# KiCad board phase-control.kicad_pcb (continued)
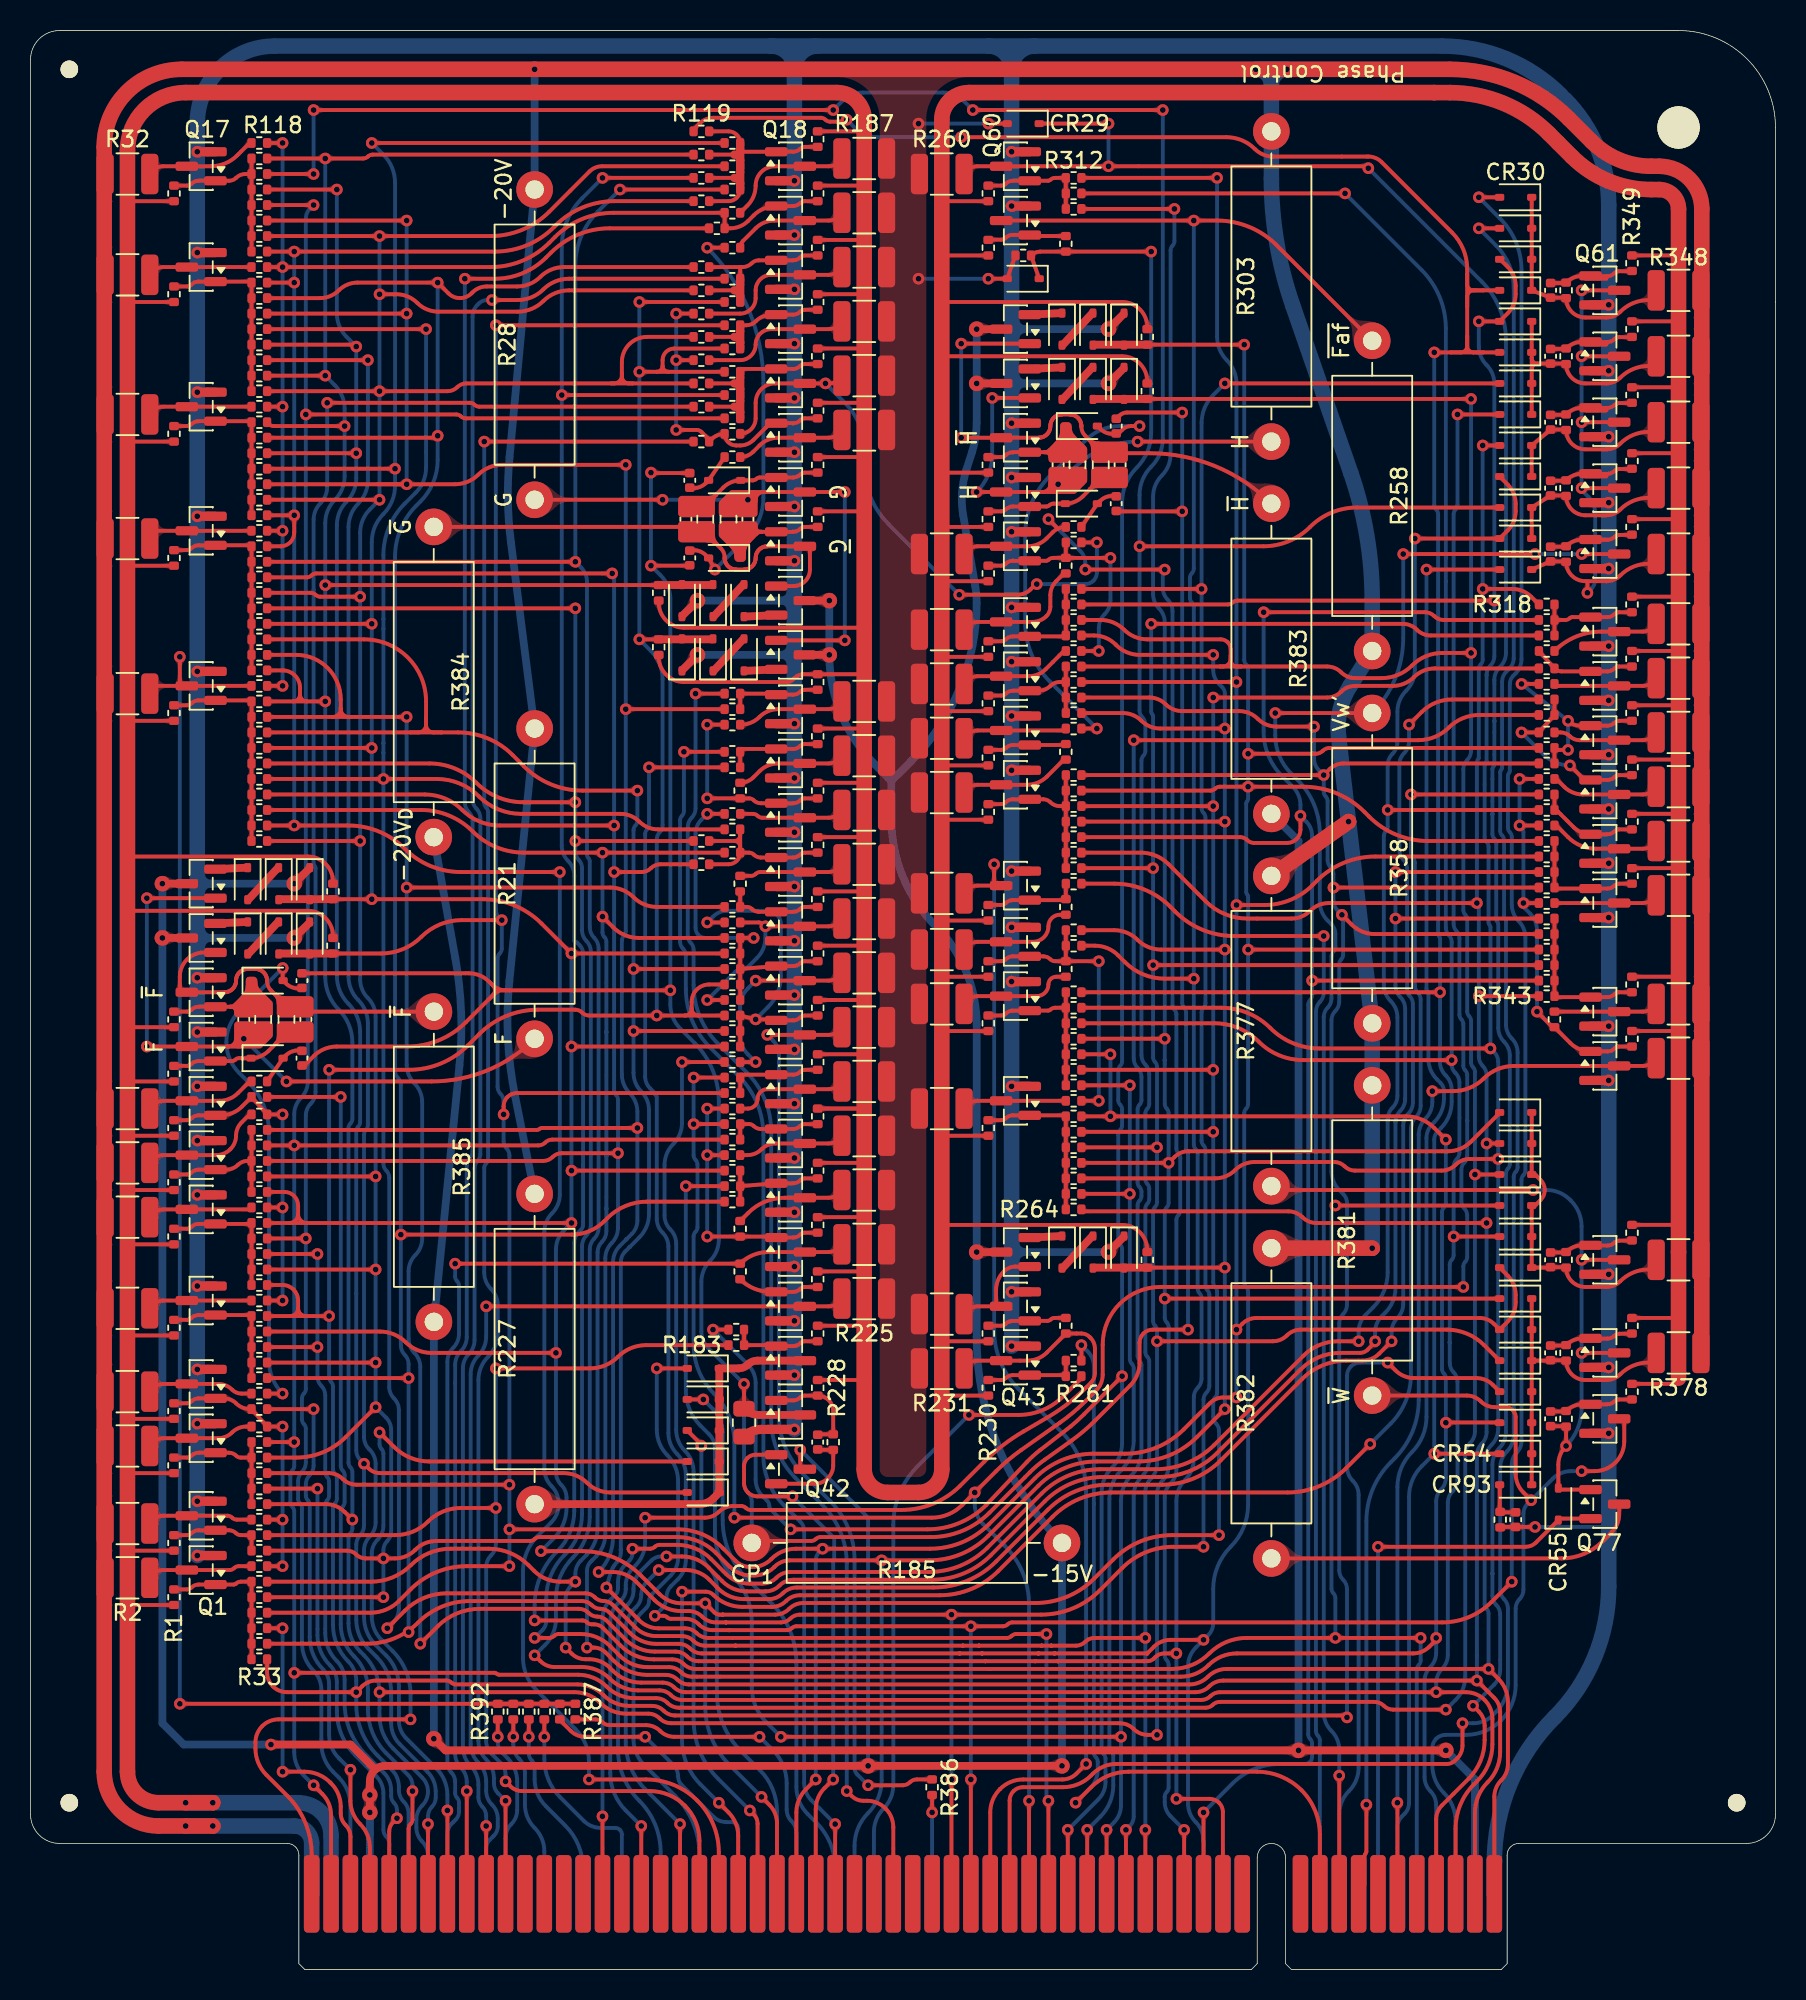
[diagram p0: board, top side]
## Routing (per net, layer and track width the routed paths; a pad name or vN(x,y) marks a point on that pad's centre or on a via; arc(x,y) is an arc through that point) (continued)
V: length 127.6
  Top w0.254: v1(41.66,27.05) 42.67,27.05 arc(43.61,26.86) 44.41,26.33 45.31,25.43 arc(46.05,24.94) 46.92,24.77 48.14,24.77 arc(48.64,24.86) 49.06,25.15 arc(49.48,25.43) 49.98,25.53 59.04,25.53 arc(61.13,25.94) 62.89,27.12 66.43,30.66 arc(68.2,31.84) 70.28,32.26 73.9,32.26 arc(75.98,32.67) 77.75,33.85 83.21,39.31 arc(84.4,40.11) 85.8,40.39 87.09,40.39 arc(87.35,40.44) 87.58,40.59 88.03,41.04 arc(88.07,41.09) v1(88.08,41.15) ; v1(89.41,68.83) R338.1 ; v1(89.41,71.88) R335.1
  Bottom w0.254: v1(89.41,71.88) v1(89.41,68.83) 89.41,64.46 arc(89.49,64.04) 89.73,63.69 arc(89.96,63.34) 90.04,62.92 90.04,57.01 arc(89.96,56.59) 89.73,56.24 arc(89.49,55.89) 89.41,55.47 89.41,44.63 arc(89.23,43.76) 88.74,43.02 88.5,42.78 arc(88.19,42.31) 88.08,41.75 v1(88.08,41.15) ; v1(41.66,27.05) 41.29,27.05 arc(40.96,26.98) 40.68,26.8 39.97,26.08 arc(39.62,25.56) 39.5,24.95 39.5,24.82 arc(39.4,24.32) 39.12,23.91 38.99,23.77 arc(38.61,23.21) 38.48,22.55 38.48,14.42 arc(38.84,12.6) 39.88,11.05 arc(40.91,9.5) 41.27,7.68 41.27,4.95
Vw': length 110.4
  Top w0.254: v1(89.92,92.71) v1(98.55,92.71) ; v1(101.6,92.71) Q65.3 ; v1(81.53,82.3) R358.2 ; v1(85.73,12.7) 85.73,4.95
  Bottom w0.254: v1(89.92,92.71) 89.92,87.2 arc(89.39,84.55) R358.2 ; v1(81.53,82.3) 81.53,80.84 arc(81.8,79.49) 82.57,78.34 82.99,77.91 arc(84.08,76.3) 84.45,74.39 84.45,69.93 arc(84.59,69.27) 84.96,68.71 85.22,68.45 arc(85.4,68.17) 85.47,67.84 85.47,66.98 arc(85.44,66.82) 85.34,66.67 arc(85.25,66.53) 85.22,66.37 85.22,63.61 arc(85.15,63.27) 84.96,62.99 arc(84.78,62.71) 84.71,62.38 84.71,16.85 arc(84.84,16.18) 85.22,15.62 arc(85.59,15.06) 85.73,14.39 v1(85.73,12.7) ; v1(98.55,92.71) v1(101.6,92.71)
W: length 37.3
  Top w0.254: Q77.2 100.13,29.53 arc(100.09,29.52) 100.08,29.48 ; 100.04,29.47 99.98,29.53 ; 100.04,29.47 arc(100.06,29.46) 100.08,29.48 ; 100.04,29.47 arc(100.06,29.43) 100.04,29.39 arc(100.07,29.43) 100.08,29.48 ; v1(88.27,27.69) 97.94,27.69 arc(98.3,27.76) 98.61,27.96 CR55.1
  Bottom w0.254: v1(88.27,27.69) 88.27,5.33
~{Ac1}: length 59.6
  Top w0.254: v1(47.12,10.41) 47.37,10.16 arc(47.56,9.88) 47.62,9.55 47.62,4.95 ; v1(42.67,59.44) R170.2
  Bottom w0.254: v1(42.67,59.44) 42.67,55.44 arc(42.52,54.7) 42.1,54.06 arc(41.68,53.43) 41.53,52.68 41.53,49.39 arc(41.63,48.89) 41.91,48.47 arc(42.19,48.05) 42.29,47.55 42.29,35.35 arc(42.44,34.61) 42.86,33.97 arc(43.29,33.34) 43.43,32.59 43.43,16.35 arc(43.85,14.27) 45.03,12.5 v1(47.12,10.41)
~{be}: length 169.6
  Top w0.254: R94.1 v1(17.27,95.25) 17.27,94.11 arc(17.01,93.48) 16.38,93.22 R92.1 ; v1(17.27,110.49) R109.1 ; 45.08,4.95 45.08,7.68 arc(44.72,9.5) 43.69,11.05 arc(42.14,12.08) 40.32,12.45 v1(36.58,12.45) ; R74.1 v1(17.27,74.93) 20.83,74.93 arc(22.82,74.53) 24.51,73.41 arc(26.2,72.28) 28.19,71.88 v1(34.67,71.88) ; R125.1 38.24,115.82 arc(36.16,115.41) 34.39,114.23 34.28,114.12 arc(32.51,112.94) 30.43,112.52 v1(17.27,112.52) R111.1
  Bottom w0.254: v1(36.58,12.45) 36.58,13.65 arc(36.35,14.77) 35.72,15.71 33.13,18.31 arc(32.48,19.27) 32.26,20.41 32.26,21.43 32.26,26.09 arc(32.5,27.33) 33.21,28.38 34.1,29.28 arc(34.47,29.83) 34.6,30.48 34.6,30.52 arc(34.48,31.13) 34.13,31.66 arc(33.78,32.18) 33.66,32.8 33.66,48.3 arc(33.79,48.97) 34.16,49.53 arc(34.54,50.09) 34.67,50.76 v1(34.67,71.88) ; v1(17.27,74.93) v1(17.27,95.25) v1(17.27,110.49) v1(17.27,112.52)
~{bq}: length 79.8
  Top w0.254: R283.1 70.99,71.12 arc(72.99,70.72) 74.68,69.59 74.99,69.28 arc(76.75,68.11) 78.83,67.69 v1(84.71,67.69)
  Bottom w0.254: v1(84.71,67.69) 84.71,63.99 arc(84.64,63.65) 84.45,63.37 arc(84.27,63.09) 84.2,62.76 84.2,15.62 arc(84.23,15.45) 84.33,15.31 arc(84.42,15.17) 84.45,15 84.45,4.95
~{brc}: length 128
  Top w0.254: v1(90.3,81.53) 91.12,82.36 arc(92.04,82.97) 93.12,83.18 R324.1 ; v1(42.55,9.52) 42.55,4.95 ; v1(41.15,26.16) 42.94,26.16 arc(43.77,26) 44.47,25.53 45.04,24.96 arc(45.82,24.44) 46.73,24.26 46.98,24.26 46.98,24.26 48.35,24.26 arc(48.85,24.36) 49.27,24.64 arc(49.69,24.92) 50.19,25.02 59.14,25.02 arc(61.36,25.46) 63.25,26.72 66.65,30.12 arc(68.45,31.33) 70.58,31.75 74.11,31.75 arc(76.2,32.16) 77.96,33.34 83.3,38.68 arc(84.62,39.57) 86.19,39.88 87.23,39.88 arc(87.83,40) 88.34,40.34 v1(89.15,41.15)
  Bottom w0.254: v1(90.3,81.53) 90.3,80.44 arc(90.21,80.02) 89.98,79.67 arc(89.74,79.32) 89.66,78.91 89.66,73.32 arc(89.73,72.99) 89.92,72.71 arc(90.1,72.42) 90.17,72.09 90.17,64.15 arc(90.21,63.94) 90.33,63.77 arc(90.49,63.52) 90.55,63.23 90.55,62.86 90.55,56.8 arc(90.47,56.38) 90.23,56.03 arc(90,55.68) 89.92,55.26 89.92,43.59 arc(89.82,43.09) 89.54,42.67 arc(89.25,42.25) 89.15,41.75 v1(89.15,41.15) ; v1(42.55,9.52) 40.27,11.8 arc(39.32,13.22) 38.99,14.9 38.99,22.34 arc(39.12,23) 39.5,23.56 39.67,23.74 arc(39.92,24.11) 40,24.55 arc(40.09,24.98) 40.34,25.35 v1(41.15,26.16)
~{bs}: length 110.1
  Top w0.254: v1(27.3,10.41) 27.3,4.95 ; v1(22.1,105.41) R104.1
  Bottom w0.254: v1(27.3,10.41) 27.3,11.43 arc(27.12,12.37) 26.59,13.16 24.61,15.14 arc(24.25,15.67) 24.13,16.3 24.13,18.54 arc(23.91,19.64) 23.29,20.57 22.6,21.26 arc(22.04,22.1) 21.84,23.08 21.84,27.44 arc(21.94,27.94) 22.22,28.36 arc(22.51,28.79) 22.61,29.28 22.61,33.12 arc(22.51,33.61) 22.22,34.04 22.17,34.09 arc(21.93,34.45) 21.84,34.88 21.84,54.68 arc(21.88,54.85) 21.97,54.99 arc(22.06,55.13) 22.1,55.3 22.1,61.97 arc(21.93,62.8) 21.46,63.5 arc(20.99,64.2) 20.83,65.03 20.83,94.48 arc(20.99,95.31) 21.46,96.01 arc(21.93,96.72) 22.1,97.54 v1(22.1,105.41)
~{C}: length 141.8
  Top w0.254: 64.14,4.95 64.14,11.07 arc(64.2,11.4) 64.39,11.68 arc(64.67,11.87) 65,11.94 67.62,11.94 arc(68.62,12.14) 69.47,12.71 69.6,12.83 arc(70.3,13.3) 71.13,13.46 92.59,13.46 92.79,13.46 arc(93.07,13.52) 93.3,13.67 93.44,13.82 arc(93.71,14.21) 93.8,14.67 v1(93.8,16.13) ; v1(94.87,114.05) CR31.2
  Bottom w0.254: v1(94.87,114.05) 96.01,112.9 arc(96.86,111.64) 97.15,110.14 97.15,85.87 arc(97.09,85.52) 96.89,85.23 96.66,85 arc(96.46,84.7) 96.39,84.35 96.39,78.72 arc(96.38,78.64) 96.33,78.57 arc(96.28,78.5) 96.27,78.41 96.27,74.58 arc(96.3,74.42) 96.39,74.28 arc(96.49,74.14) 96.52,73.97 96.52,69 arc(96.54,68.91) 96.58,68.84 arc(96.63,68.77) 96.65,68.69 96.65,61.9 arc(96.75,61.4) 97.03,60.98 arc(97.31,60.56) 97.41,60.06 97.41,52.55 arc(97.38,52.38) 97.28,52.24 arc(97.19,52.1) 97.15,51.93 97.15,35 arc(97.04,34.42) 96.71,33.93 arc(96.38,33.44) 96.27,32.86 96.27,24.87 arc(96.33,24.54) 96.52,24.26 arc(96.71,23.98) 96.77,23.64 96.77,18.73 arc(96.58,17.74) 96.01,16.89 95.76,16.64 arc(95.19,16.26) 94.52,16.13 v1(93.8,16.13)
~{Faf}: length 300.5
  Top w0.254: R160.1 41.03,69.6 arc(40.2,69.76) 39.5,70.23 arc(38.79,70.7) 37.96,70.87 24.64,70.87 ; 72.94,20.19 73.17,20.19 arc(73.39,20.24) 73.57,20.36 73.66,20.45 arc(73.94,20.63) 74.27,20.7 v1(75.06,20.7) ; 72.94,20.19 72.94,20.19 ; 72.94,20.19 72.94,20.19 ; 72.94,20.19 72.94,20.19 ; 72.94,20.19 arc(72.94,20.19) 72.94,20.19 ; R258.2 81.63,112.94 arc(79.84,114.13) 77.72,114.55 v1(76.2,114.55) Q59.3 ; 19.75,82.04 R81.1 ; 19.75,82.04 20.89,82.04 ; 19.75,82.04 19.81,82.04 arc(20.17,82.19) 20.32,82.56 20.32,82.61 ; 44.83,20.19 44.83,20.19 ; 44.83,20.19 43.76,20.19 arc(43.35,20.27) 43,20.51 arc(42.66,20.74) 42.25,20.82 40.89,20.82 arc(39.85,21.03) 38.96,21.62 37.71,22.87 arc(37.44,23.05) 37.13,23.11 arc(36.82,23.18) 36.55,23.35 36.54,23.37 arc(36.25,23.56) 35.92,23.62 29.43,23.62 arc(27.94,23.32) 26.67,22.48 v1(25.53,21.34) ; 44.83,20.19 44.83,20.19 ; 44.83,20.19 44.83,20.19 ; 44.83,20.19 arc(44.83,20.19) 44.83,20.19 ; 44.83,20.19 62.54,20.19 ; 20.89,82.04 20.83,82.04 arc(20.47,82.19) 20.32,82.55 20.32,82.61 ; 20.89,82.04 v1(24.64,82.04) ; v1(75.06,11.18) 77.24,11.18 arc(77.57,11.11) 77.85,10.92 arc(78.04,10.64) 78.11,10.31 78.11,4.95 ; R85.1 17.4,86.11 arc(19.46,85.25) 20.32,83.18 20.32,82.61 ; 72.94,20.19 62.54,20.19 ; 62.54,20.19 62.54,20.19 ; 62.54,20.19 62.54,20.19 ; 62.54,20.19 62.54,20.19 ; 62.54,20.19 arc(62.54,20.19) 62.54,20.19 ; v1(76.2,64.9) 74.3,64.9 arc(72.89,65.18) 71.69,65.98 71.24,66.43 arc(70.54,66.89) 69.72,67.06 R280.1
  Bottom w0.254: v1(24.64,82.04) v1(24.64,70.86) 24.64,59.27 arc(24.77,58.6) 25.15,58.04 arc(25.52,57.48) 25.65,56.81 25.65,47.87 arc(25.54,47.29) 25.21,46.8 arc(24.88,46.31) 24.77,45.73 24.77,41.31 arc(24.86,40.81) 25.15,40.39 arc(25.43,39.96) 25.53,39.47 v1(25.53,21.34) ; v1(75.06,11.18) 75.06,30.69 arc(75.21,31.43) 75.63,32.07 arc(76.05,32.7) 76.2,33.45 76.2,37.49 arc(76.27,37.82) 76.45,38.1 arc(76.64,38.38) 76.71,38.71 76.71,43.98 arc(76.67,44.14) 76.58,44.28 arc(76.49,44.42) 76.45,44.59 76.45,53.41 arc(76.42,53.58) 76.33,53.72 arc(76.23,53.86) 76.2,54.03 v1(76.2,64.9) 76.2,89.23 arc(76.17,89.39) 76.07,89.53 arc(75.98,89.68) 75.95,89.84 75.95,91.15 arc(75.98,91.31) 76.07,91.46 arc(76.17,91.6) 76.2,91.76 v1(76.2,114.55)
~{Fc}: length 36.2
  Top w0.254: v1(20.95,13.08) 20.95,11.06 arc(21.12,10.23) 21.59,9.52 arc(22.06,8.82) 22.22,7.99 22.22,4.95 ; v1(18.54,36.7) R49.1
  Bottom w0.254: v1(20.95,13.08) 20.2,13.83 arc(19.73,14.55) 19.56,15.39 19.56,18.7 arc(19.45,19.22) 19.16,19.67 arc(18.51,20.63) 18.29,21.76 18.29,30.43 arc(18.25,30.59) 18.16,30.73 arc(18.07,30.87) 18.03,31.04 18.03,31.77 arc(18.1,32.1) 18.29,32.38 arc(18.48,32.67) 18.54,33 v1(18.54,36.7)
~{Fd}: length 58.7
  Top w0.254: v1(25.02,11.68) 25.02,9.83 arc(24.99,9.67) 24.89,9.52 arc(24.8,9.38) 24.77,9.22 24.77,4.95 ; v1(20.32,57.15) R69.1
  Bottom w0.254: v1(20.32,57.15) 20.32,32.99 arc(20.35,32.82) 20.45,32.68 arc(20.54,32.54) 20.57,32.37 20.57,30.62 arc(20.54,30.45) 20.45,30.31 arc(20.35,30.17) 20.32,30.01 20.32,22.61 arc(20.54,21.48) 21.18,20.52 21.21,20.49 arc(21.87,19.51) 22.1,18.35 22.1,17.04 arc(22.41,15.49) 23.28,14.18 24.75,12.72 arc(24.95,12.42) 25.02,12.06 v1(25.02,11.68)
~{F}: length 378
  Top w0.254: v1(30.87,68.73) 28.24,68.73 arc(26.81,68.45) 25.6,67.64 arc(24.39,66.83) 22.96,66.55 R19.1 ; v1(77.72,117.35) R312.1 ; v1(51.44,12.45) 50.8,11.81 arc(50.33,11.11) 50.16,10.28 50.16,4.95 ; CR48.2 96.76,45.45 arc(97.15,44.87) 97.28,44.18 97.28,43.7 arc(97.15,43.02) 96.76,42.43 CR50.2 95.85,42.29 arc(95.43,42.57) 94.93,42.67 80.29,42.67 arc(79.8,42.57) 79.37,42.29 v1(78.99,41.91) ; v1(31.37,31.75) 21.37,31.75 arc(20.87,31.85) 20.45,32.13 arc(20.02,32.41) 19.53,32.51 R45.1 ; R172.1 31.86,57.4 arc(31.52,57.34) 31.24,57.15 arc(31.05,56.87) 30.99,56.54 v1(30.99,56.01) ; v1(78.99,84.33) R295.1 ; v1(30.48,107.7) R134.1 ; R334.1 88.1,72.9 arc(86.02,72.49) 84.26,71.31 83.98,71.03 arc(82.54,70.06) 80.84,69.72 v1(78.99,69.72) ; v1(31.37,28.83) 42.39,28.83 arc(43.99,28.51) 45.34,27.61 46.18,26.77 arc(46.63,26.47) 47.17,26.36 47.27,26.36 arc(47.94,26.49) 48.51,26.87 48.54,26.89 arc(49.27,27.39) 50.14,27.56 v1(51.88,27.56) 58.92,27.56 arc(61,27.97) 62.77,29.15 65.8,32.19 arc(67.57,33.37) 69.65,33.78 71.69,33.78 arc(73.78,34.2) 75.54,35.38 77.28,37.11 arc(77.67,37.37) 78.13,37.46 v1(78.99,37.46) ; v1(31.37,26.42) 28.57,26.42 arc(26.58,26.02) 24.89,24.89 24.14,24.14 arc(23.28,23.57) 22.28,23.37 R36.1
  Top w0.508: R19.1 16.33,66.55
  Bottom w0.254: v1(31.37,26.42) v1(31.37,28.83) v1(31.37,31.75) 31.37,53.32 arc(31.32,53.57) 31.18,53.78 arc(31.04,54) 30.99,54.24 v1(30.99,56.01) 30.99,56.87 arc(30.94,57.13) 30.79,57.35 arc(30.64,57.57) 30.59,57.83 30.59,66.21 arc(30.63,66.39) 30.73,66.55 arc(30.84,66.7) 30.87,66.88 v1(30.87,68.73) 30.68,68.93 arc(30.53,69.14) 30.48,69.4 v1(30.48,107.7) ; v1(51.88,27.56) 51.66,27.34 arc(51.49,27.09) 51.44,26.8 v1(51.44,12.45) ; v1(78.99,37.46) v1(78.99,41.91) v1(78.99,69.72) v1(78.99,84.33) 78.99,103.88 arc(78.83,104.71) 78.36,105.41 arc(77.89,106.11) 77.72,106.94 v1(77.72,117.35)
~{Gc}: length 123.4
  Top w0.254: v1(28.58,11.68) 28.58,4.95 ; R127.1 37.94,114.05 arc(35.86,113.63) 34.09,112.45 33.78,112.14 arc(32.24,111.11) 30.42,110.74 v1(28.45,110.74)
  Bottom w0.254: v1(28.58,11.68) 28.58,12.29 arc(28.48,12.79) 28.19,13.21 arc(27.91,13.63) 27.81,14.13 27.81,38.4 27.81,39.6 arc(27.91,40.08) 28.18,40.49 28.19,40.5 arc(28.48,40.93) 28.58,41.43 28.58,52.69 arc(28.62,52.94) 28.77,53.15 arc(28.91,53.36) 28.96,53.61 28.96,75.21 arc(28.89,75.54) 28.7,75.82 arc(28.51,76.1) 28.45,76.43 v1(28.45,110.74)
~{Gd}: length 110.1
  Top w0.254: v1(29.72,100.08) R144.1 ; v1(31.11,11.05) 31.11,4.95
  Bottom w0.254: v1(29.72,100.08) 29.72,76.42 arc(29.75,76.25) 29.84,76.11 arc(29.94,75.97) 29.97,75.81 29.97,53.1 arc(29.94,52.93) 29.84,52.79 arc(29.75,52.65) 29.72,52.49 29.72,45.65 arc(29.83,45.07) 30.16,44.58 arc(30.49,44.08) 30.61,43.5 30.61,41.67 arc(30.44,40.84) 29.97,40.13 arc(29.5,39.43) 29.34,38.6 29.34,14.98 arc(29.47,14.32) 29.84,13.76 arc(30.22,13.19) 30.35,12.53 30.35,12.19 arc(30.42,11.84) 30.62,11.54 v1(31.11,11.05)
~{G}: length 408.7
  Top w0.254: v1(21.08,29.46) 20.57,29.97 arc(20.01,30.35) 19.35,30.48 R43.1 ; R200.1 19.31,90.68 arc(19.31,90.68) 19.31,90.68 v1(19.3,90.68) ; R84.1 16.51,85.09 arc(17.32,84.76) 17.65,83.95 17.65,83.5 ; v1(73.79,15.37) 73.18,15.37 arc(72.69,15.47) 72.26,15.75 arc(71.84,16.03) 71.34,16.13 41.97,16.13 arc(41.56,16.21) 41.22,16.44 arc(40.87,16.67) 40.46,16.76 39.02,16.76 arc(38.1,16.94) 37.32,17.46 arc(36.54,17.98) 35.62,18.16 v1(22.86,18.16) ; v1(19.3,83.06) 18.1,83.06 ; 18.1,83.06 17.21,83.06 ; 18.1,83.06 arc(17.78,83.19) 17.65,83.5 ; v1(20.57,101.09) 15.93,101.09 arc(15.76,101.13) 15.62,101.22 R100.1 ; v1(74.3,43.94) CR49.2 ; v1(74.3,60.96) R275.1 ; 17.21,83.06 R82.1 ; 17.21,83.06 arc(17.52,83.19) 17.65,83.5 ; CR43.2 96.23,56.12 arc(96.23,56.1) 96.22,56.09 94.34,54.21 arc(93.66,53.75) 92.85,53.59 92.45,53.59 75.85,53.59 arc(75.35,53.49) 74.93,53.21 v1(74.55,52.83) R267.1 ; v1(19.3,104.39) R103.1 ; R121.1 22.4,118.87 arc(22.24,118.84) 22.1,118.74 arc(21.96,118.65) 21.79,118.62 v1(19.3,118.62) R117.1 ; v1(74.93,115.32) R310.1
  Top w0.508: R200.1 44.63,90.68
  Bottom w0.254: 26.03,4.95 26.03,7.46 arc(25.94,7.96) 25.65,8.38 arc(25.37,8.8) 25.27,9.3 25.27,9.81 arc(25.37,10.31) 25.65,10.73 arc(25.94,11.16) 26.03,11.65 arc(25.94,12.15) 25.65,12.57 24.09,14.14 23.75,14.48 arc(23.09,15.46) 22.86,16.63 22.86,18.12 arc(22.6,19.45) 21.84,20.58 21.59,20.83 arc(21.03,21.68) 20.83,22.68 20.83,28.27 arc(20.86,28.43) 20.95,28.57 arc(21.05,28.72) 21.08,28.88 v1(21.08,29.46) 21.08,32.58 arc(21.05,32.75) 20.95,32.89 arc(20.86,33.03) 20.83,33.2 20.83,55.11 arc(20.86,55.27) 20.95,55.41 arc(21.05,55.55) 21.08,55.72 21.08,60.72 arc(20.85,61.88) 20.19,62.86 arc(19.54,63.85) 19.3,65.01 v1(19.3,83.06) 19.3,83.07 arc(19.3,83.07) 19.3,83.08 v1(19.3,90.68) 19.3,94.73 arc(19.47,95.56) 19.94,96.27 arc(20.41,96.97) 20.57,97.8 v1(20.57,101.09) 20.57,102.23 arc(20.41,103.06) 19.94,103.76 v1(19.3,104.39) v1(19.3,118.62) ; v1(74.93,115.32) 74.93,113.21 arc(74.9,113.04) 74.8,112.9 arc(74.71,112.76) 74.68,112.6 74.68,99.23 arc(74.53,98.49) 74.1,97.85 arc(73.68,97.22) 73.53,96.47 73.53,90.07 arc(73.63,89.58) 73.91,89.15 arc(74.2,88.73) 74.3,88.23 v1(74.3,60.96) 74.3,56.69 arc(74.33,56.53) 74.42,56.39 arc(74.52,56.25) 74.55,56.08 v1(74.55,52.83) 74.55,50.22 arc(74.52,50.05) 74.42,49.91 arc(74.33,49.77) 74.3,49.6 v1(74.3,43.94) 74.3,42.69 arc(74.33,42.53) 74.42,42.39 arc(74.52,42.24) 74.55,42.08 74.55,32.96 arc(74.45,32.47) 74.17,32.04 arc(73.89,31.62) 73.79,31.12 v1(73.79,15.37)
~{H'}: length 105.6
  Top w0.254: v1(66.67,95) 67.31,94.36 ; v1(75.56,9.14) 75.56,4.95 ; R252.2 61.41,92.96 arc(61.69,93.15) 62.02,93.22 Q54.3 65.32,93.22 arc(65.99,93.35) 66.55,93.73 66.95,94.13 arc(67.35,94.4) R305.2 ; v1(69.09,91.69) v1(74.3,91.69)
  Bottom w0.254: v1(74.3,91.69) 74.23,91.63 arc(74.18,91.56) 74.17,91.48 74.17,90.49 arc(74.25,90.08) 74.49,89.73 arc(74.72,89.37) 74.8,88.96 74.8,63.17 arc(74.84,63.01) 74.93,62.87 arc(75.02,62.72) 75.06,62.56 75.06,53.77 arc(75.09,53.61) 75.18,53.47 arc(75.28,53.33) 75.31,53.16 75.31,49.71 arc(75.28,49.54) 75.18,49.4 arc(75.09,49.26) 75.06,49.1 75.06,32.75 arc(74.96,32.26) 74.68,31.83 arc(74.39,31.41) 74.3,30.91 74.3,20.56 arc(74.33,20.4) 74.42,20.26 arc(74.52,20.12) 74.55,19.95 74.55,11.93 arc(74.52,11.76) 74.42,11.62 arc(74.33,11.48) 74.3,11.31 74.3,10.95 arc(74.39,10.46) 74.68,10.03 v1(75.56,9.14) ; v1(66.67,95) 68.77,92.9 arc(69.01,92.55) 69.09,92.14 v1(69.09,91.69)
~{H}: length 406.6
  Top w0.254: R129.1 34.93,111.51 arc(34.1,111.34) 33.4,110.87 arc(32.7,110.4) 31.87,110.24 29.88,110.24 arc(29.38,110.14) 28.96,109.85 28.89,109.79 arc(28.54,109.56) 28.13,109.47 arc(27.72,109.56) 27.37,109.79 v1(26.67,110.49) 21.42,110.49 arc(20.76,110.36) 20.19,109.98 arc(19.63,109.61) 18.97,109.47 R108.1 ; R34.1 22.03,21.34 arc(23.85,21.7) 25.4,22.73 arc(26.95,23.77) 28.77,24.13 36.13,24.13 arc(36.47,24.06) 36.75,23.88 36.76,23.86 arc(37.03,23.68) 37.34,23.62 arc(37.65,23.56) 37.92,23.38 39.26,22.04 arc(40.05,21.51) 40.98,21.33 42.46,21.33 arc(42.87,21.25) 43.22,21.01 arc(43.56,20.78) 43.97,20.7 62.33,20.7 ; v1(76.83,21.59) 74.67,21.59 arc(74.09,21.47) 73.6,21.15 73.15,20.7 arc(73.15,20.7) 73.15,20.7 73.15,20.7 ; R99.1 26.45,100.33 arc(26.54,100.35) 26.61,100.39 v1(26.67,100.46) ; 62.33,20.7 67.07,20.7 ; 62.33,20.7 62.33,20.7 ; 62.33,20.7 arc(62.33,20.7) 62.33,20.7 ; 62.33,20.7 arc(62.33,20.7) 62.33,20.7 ; 62.33,20.7 arc(62.33,20.7) 62.33,20.7 ; 67.07,20.7 67.07,20.7 ; 67.07,20.7 73.15,20.7 ; 67.07,20.7 arc(67.07,20.7) 67.07,20.7 ; 67.07,20.7 arc(67.07,20.7) 67.07,20.7 ; 67.07,20.7 arc(67.07,20.7) 67.07,20.7 ; R333.1 91.53,73.91 arc(89.45,74.33) 87.69,75.51 87.38,75.82 arc(85.55,77.04) 83.39,77.47 v1(79.76,77.47) 77.9,77.47 arc(77.74,77.44) 77.6,77.34 arc(77.46,77.25) 77.29,77.22 R289.1 ; 73.15,20.7 73.15,20.7 ; 73.15,20.7 73.15,20.7 ; 73.15,20.7 arc(73.15,20.7) 73.15,20.7 ; 73.15,20.7 arc(73.15,20.7) 73.15,20.7 ; v1(24.77,38.73) R51.1 ; R179.1 40.39,50.29 arc(38.98,50.01) 37.78,49.21 37.58,49.01 arc(36.61,48.36) 35.46,48.13 v1(24.26,48.13) ; v1(79.76,66.8) R340.1 ; R256.1 v1(79.5,106.42) ; v1(79.76,79.63) 84.19,79.63 arc(84.43,79.68) 84.65,79.82 arc(84.86,79.96) 85.11,80.01 R327.1
  Top w0.508: R256.1 69.67,106.42
  Bottom w0.254: v1(79.5,106.42) 79.5,85.78 arc(79.54,85.61) 79.63,85.47 arc(79.72,85.33) 79.76,85.16 v1(79.76,79.63) v1(79.76,77.47) 79.76,76.67 arc(79.74,76.59) 79.69,76.52 arc(79.65,76.45) 79.63,76.36 79.63,70.57 arc(79.65,70.49) 79.69,70.42 arc(79.74,70.35) 79.76,70.27 v1(79.76,66.8) 79.76,56.69 arc(79.72,56.53) 79.63,56.39 arc(79.54,56.25) 79.5,56.08 79.5,45.01 arc(79.54,44.84) 79.63,44.7 arc(79.72,44.56) 79.76,44.4 79.76,30.45 arc(79.46,28.95) 78.61,27.69 arc(77.77,26.42) 77.47,24.93 77.47,22.67 arc(77.39,22.26) 77.15,21.91 v1(76.83,21.59) 76.33,21.08 arc(75.95,20.52) 75.82,19.86 75.82,10.88 arc(75.95,10.21) 76.33,9.65 arc(76.7,9.09) 76.83,8.43 76.83,4.95 ; v1(24.77,22.1) v1(24.77,38.73) 24.77,39.65 arc(24.7,39.98) 24.51,40.26 arc(24.32,40.54) 24.26,40.87 v1(24.26,48.13) 24.26,57.94 arc(24.21,58.19) 24.07,58.4 arc(23.93,58.61) 23.88,58.86 23.88,77.66 23.88,92.51 arc(24.24,94.34) 25.27,95.89 25.55,96.16 arc(26.38,97.4) 26.67,98.87 v1(26.67,100.46) v1(26.67,110.49)
~{ic}: length 6.5
  Top w0.254: v1(59.05,10.29) R386.2
  Bottom w0.254: v1(59.05,10.29) 59.05,4.95
~{K}: length 230.8
  Top w0.254: v1(40.89,23.16) 41.46,23.16 arc(41.59,23.14) 41.71,23.06 arc(41.81,22.99) 41.93,22.97 42.89,22.97 arc(43.38,22.87) 43.79,22.6 arc(44.2,22.32) 44.69,22.23 45.76,22.23 49.55,22.23 arc(49.72,22.26) 49.86,22.35 arc(50,22.45) 50.17,22.48 v1(61.59,22.48) 63.7,22.48 arc(63.87,22.51) 64.01,22.61 arc(64.15,22.7) 64.31,22.73 92.48,22.73 arc(94.22,23.08) 95.69,24.07 v1(97.03,25.4) ; v1(40.51,78.74) R152.1 ; v1(61.59,12.45) 61.59,4.95 ; v1(94.87,116.08) CR30.2
  Bottom w0.254: v1(40.89,23.16) 41.34,23.61 arc(41.57,23.96) 41.66,24.37 arc(41.74,24.78) 41.97,25.12 42.39,25.55 arc(42.79,26.14) 42.93,26.83 42.93,32.38 arc(42.78,33.13) 42.35,33.76 arc(41.93,34.4) 41.78,35.14 41.78,47.34 arc(41.68,47.84) 41.4,48.26 arc(41.12,48.68) 41.02,49.18 41.02,57.12 arc(41,57.2) 40.96,57.28 40.92,57.32 arc(40.9,57.34) 40.89,57.37 arc(40.89,57.4) 40.87,57.43 40.58,57.72 arc(40.34,58.07) 40.26,58.49 40.26,74.37 arc(40.29,74.54) 40.39,74.68 arc(40.48,74.82) 40.51,74.98 v1(40.51,78.74) ; v1(97.03,25.4) 97.03,33.08 arc(97.11,33.49) 97.35,33.85 arc(97.58,34.2) 97.66,34.61 97.66,51.72 arc(97.7,51.89) 97.79,52.03 arc(97.88,52.17) 97.92,52.34 97.92,67.6 arc(97.8,68.18) 97.47,68.67 arc(97.14,69.16) 97.03,69.75 97.03,74.18 arc(96.99,74.35) 96.9,74.49 arc(96.81,74.63) 96.77,74.79 96.77,78.2 arc(96.79,78.29) 96.84,78.36 arc(96.88,78.43) 96.9,78.51 96.9,84.2 arc(96.96,84.49) 97.12,84.74 97.28,84.9 arc(97.56,85.32) 97.66,85.82 97.66,111.31 arc(97.3,113.13) 96.27,114.68 v1(94.87,116.08) ; v1(61.59,22.48) v1(61.59,12.45)
~{L}: length 92.7
  Top w0.254: v1(89.54,10.92) 89.54,4.95 ; v1(91.44,91.69) CR42.2
  Bottom w0.254: v1(91.44,91.69) 91.44,64.22 arc(91.46,64.14) 91.5,64.07 arc(91.55,64) 91.57,63.91 91.57,59.65 arc(91.71,58.92) 92.12,58.31 92.36,58.07 arc(92.52,57.82) 92.58,57.53 92.58,57.03 arc(92.42,56.2) 91.95,55.5 91.82,55.37 arc(91.54,54.95) 91.44,54.45 91.44,36.19 arc(91.19,34.94) 90.49,33.89 arc(89.78,32.83) 89.54,31.59 v1(89.54,10.92)
~{P1d}: length 12
  Top w0.254: v1(30.61,15.24) 30.61,16.38
  Bottom w0.254: 31.11,4.95 31.11,8.61 arc(31.21,9.1) 31.5,9.52 arc(31.78,9.95) 31.88,10.44 31.88,12.31 arc(31.71,13.14) 31.24,13.84 30.88,14.21 arc(30.68,14.51) 30.61,14.86 v1(30.61,15.24)
~{P1}: length 126
  Top w0.254: v1(19.43,102.62) 28.78,102.62 arc(28.94,102.58) 29.08,102.49 arc(29.22,102.4) 29.39,102.36 R141.1 ; v1(18.03,47.88) R60.1
  Bottom w0.254: v1(19.43,102.62) 19.43,97.1 arc(19.32,96.52) 18.99,96.03 arc(18.66,95.54) 18.54,94.96 18.54,90.36 18.54,72.44 arc(18.56,72.35) 18.61,72.28 arc(18.65,72.21) 18.67,72.13 18.67,57.47 arc(18.59,57.06) 18.35,56.71 arc(18.12,56.35) 18.03,55.94 v1(18.03,47.88) 18.03,38.03 arc(18,37.86) 17.91,37.72 arc(17.81,37.58) 17.78,37.41 17.78,36.03 arc(17.81,35.86) 17.91,35.72 arc(18,35.58) 18.03,35.41 18.03,33.21 arc(17.97,32.88) 17.78,32.6 arc(17.59,32.31) 17.53,31.98 17.53,30.83 arc(17.56,30.66) 17.65,30.52 arc(17.75,30.38) 17.78,30.22 17.78,21.4 arc(17.98,20.4) 18.54,19.56 arc(18.92,19) 19.05,18.33 19.05,14.81 arc(19.25,13.8) 19.82,12.94 20.19,12.57 arc(20.76,11.73) 20.95,10.73 20.95,4.95
~{P2d}: length 12
  Top w0.254: v1(31.62,15.24) 31.62,16.38
  Bottom w0.254: 33.66,4.95 33.66,7.74 arc(33.49,8.57) 33.02,9.27 arc(32.55,9.97) 32.38,10.8 32.38,12.88 arc(32.29,13.38) 32,13.8 32,13.81 arc(31.72,14.22) 31.62,14.71 v1(31.62,15.24)
~{P3d}: length 12.6
  Top w0.254: 32.64,16.38 v1(32.64,15.24)
  Bottom w0.254: 36.19,4.95 36.19,6.6 arc(35.89,8.13) 35.03,9.42 33.75,10.7 arc(33.21,11.51) 33.02,12.47 33.02,13.23 arc(32.97,13.48) 32.83,13.69 arc(32.69,13.9) 32.64,14.15 v1(32.64,15.24)
~{P4d}: length 14.3
  Top w0.254: 33.66,16.38 v1(33.66,15.24)
  Bottom w0.254: v1(33.66,15.24) 33.66,13.78 arc(33.92,12.43) 34.69,11.29 36.24,9.74 arc(36.75,9.39) 37.36,9.27 38.3,9.27 arc(38.47,9.24) 38.61,9.14 arc(38.7,9) 38.73,8.84 38.73,4.95
~{P5d}: length 19.3
  Top w0.254: 34.67,16.38 34.67,16.37 arc(34.67,16.36) 34.68,16.35 ; v1(40.26,15.24) 36.32,15.24 arc(35.82,15.34) 35.39,15.63 34.69,16.32 arc(34.69,16.32) 34.69,16.33 arc(34.69,16.33) 34.69,16.33 34.68,16.34
  Bottom w0.254: 46.36,4.95 46.36,9.22 arc(46.32,9.38) 46.23,9.52 arc(46.09,9.62) 45.92,9.65 45.59,9.65 arc(45.12,9.75) 44.73,10.01 42.65,12.09 arc(42.48,12.34) 42.42,12.65 arc(42.34,13.05) 42.11,13.39 v1(40.26,15.24)
~{P6d}: length 23.4
  Top w0.254: 35.69,16.38 37.01,16.38 arc(37.26,16.33) 37.47,16.19 arc(37.68,16.05) 37.92,16 40.32,16 arc(40.82,15.9) 41.24,15.62 arc(41.66,15.34) 42.16,15.24 v1(47.75,15.24)
  Bottom w0.254: v1(47.75,15.24) 48.64,14.35 arc(49.3,13.37) 49.53,12.2 49.53,10.48 arc(49.61,10.07) 49.85,9.72 arc(50.08,9.36) 50.16,8.95 50.16,4.95
~{Q1}: length 335.1
  Top w0.254: v1(35.05,21.08) 35.43,20.7 arc(35.86,20.42) 36.35,20.32 36.6,20.32 arc(37.33,20.18) 37.95,19.76 38.16,19.55 arc(39,18.99) 40,18.79 41.41,18.79 arc(41.82,18.71) 42.16,18.47 arc(42.51,18.24) 42.92,18.16 44.75,18.16 76.29,18.16 arc(76.79,18.26) 77.21,18.54 arc(77.63,18.82) 78.13,18.92 v1(94.74,18.92) 95.88,17.78 arc(96.17,17.36) 96.27,16.85 96.27,16.32 96.27,14.25 arc(96.05,13.17) 95.44,12.26 arc(94.83,11.34) 94.61,10.26 94.61,4.95 ; v1(95.12,99.82) CR38.2 ; R162.1 39.85,67.56 arc(38.94,67.75) 38.16,68.26 v1(37.47,68.96) ; v1(35.69,25.4) 34.69,25.4 arc(33.77,25.58) 32.99,26.1 32.62,26.48 arc(31.42,27.28) 30.01,27.56 27.52,27.56 arc(26.11,27.28) 24.91,26.48 arc(23.72,25.68) 22.31,25.4 R38.1 ; R318.1 98.3,89.92 arc(97.73,90.29) 97.07,90.42 v1(95.12,90.42) ; R75.1 25.58,75.95 arc(27.41,75.58) 28.96,74.55 arc(30.5,73.52) 32.33,73.15 v1(37.47,73.15) R157.1 ; v1(94.74,69.85) 85.05,69.85 arc(84.38,69.72) 83.82,69.34 arc(83.26,68.97) 82.59,68.83 79.72,68.83 arc(78.23,69.13) 76.97,69.97 74.55,72.39 arc(73.71,72.95) 72.71,73.15 R285.1 ; R264.1 68.9,49.72 arc(68.97,49.67) 69.05,49.66 82.39,49.66 arc(82.89,49.56) 83.31,49.28 arc(83.73,48.99) 84.23,48.89 v1(95.38,48.89) ; v1(95.38,54.1) CR44.2 ; v1(94.87,63.75) R343.1
  Bottom w0.254: v1(95.12,99.82) v1(95.12,90.42) 95.06,90.42 arc(95.04,90.41) 95.04,90.38 95.06,90.36 arc(95.11,90.29) 95.12,90.21 95.12,85.79 arc(95.09,85.63) 95,85.49 arc(94.9,85.34) 94.87,85.18 94.87,79.36 arc(94.86,79.33) 94.84,79.3 arc(94.77,79.19) 94.74,79.05 v1(94.74,69.85) 94.81,69.79 arc(94.85,69.72) 94.87,69.63 v1(94.87,63.75) 94.87,59.8 arc(94.94,59.46) 95.12,59.18 arc(95.31,58.9) 95.38,58.57 v1(95.38,54.1) v1(95.38,48.89) 95.38,35.2 arc(95.29,34.78) 95.06,34.43 arc(94.82,34.08) 94.74,33.67 v1(94.74,18.92) ; v1(35.05,21.08) 35.05,24.32 arc(35.13,24.73) 35.37,25.08 v1(35.69,25.4) 35.69,25.91 arc(35.78,26.38) 36.05,26.78 36.41,27.15 arc(36.95,27.95) 37.14,28.9 37.14,46.96 arc(37.22,47.34) 37.43,47.66 arc(37.64,47.98) 37.72,48.36 37.72,58.56 37.72,67.32 arc(37.69,67.48) 37.59,67.62 arc(37.5,67.76) 37.47,67.93 v1(37.47,68.96) v1(37.47,73.15)